# Altium PCB relay_matrix.PcbDoc (part 1 of 5)
Units mm, origin at the board's own origin, x right, y up, seen from the top; angles counter-clockwise.
Board outline 330 x 220 mm, 2 copper layers (Top Layer, Bottom Layer); 560 components, 391 nets, 2127 pads, 727 vias.
Unrouted connection lines stored in the file: 345.
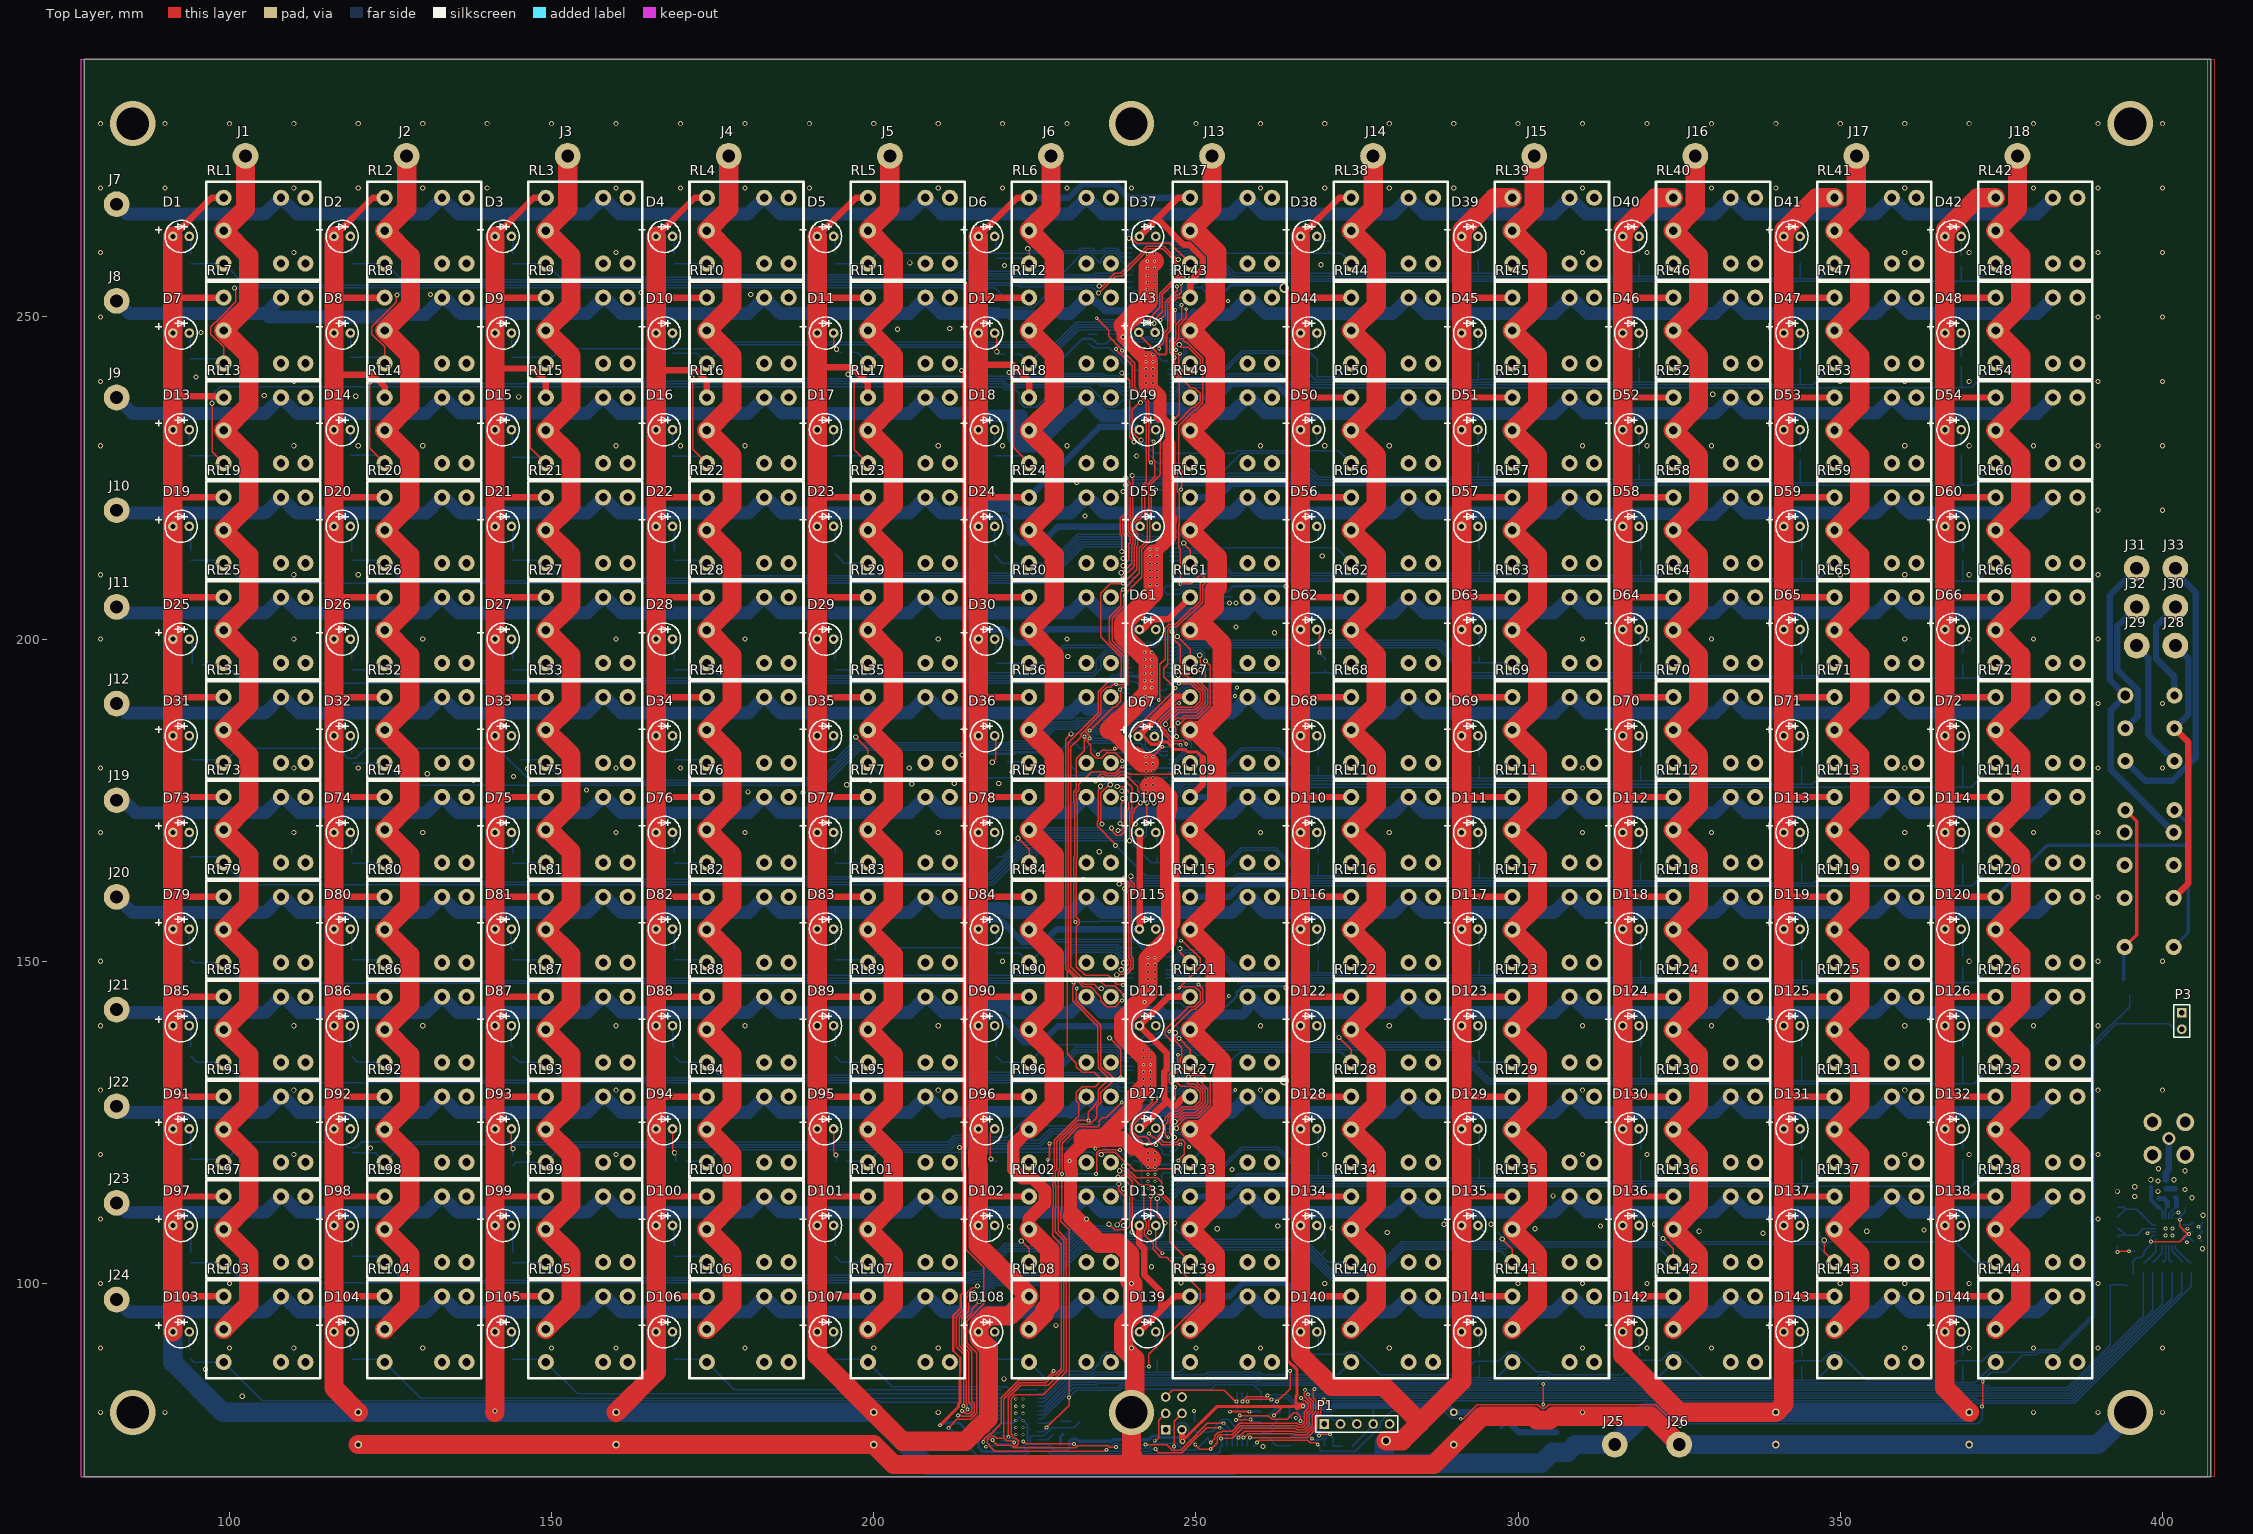
[diagram p0: Top Layer view]
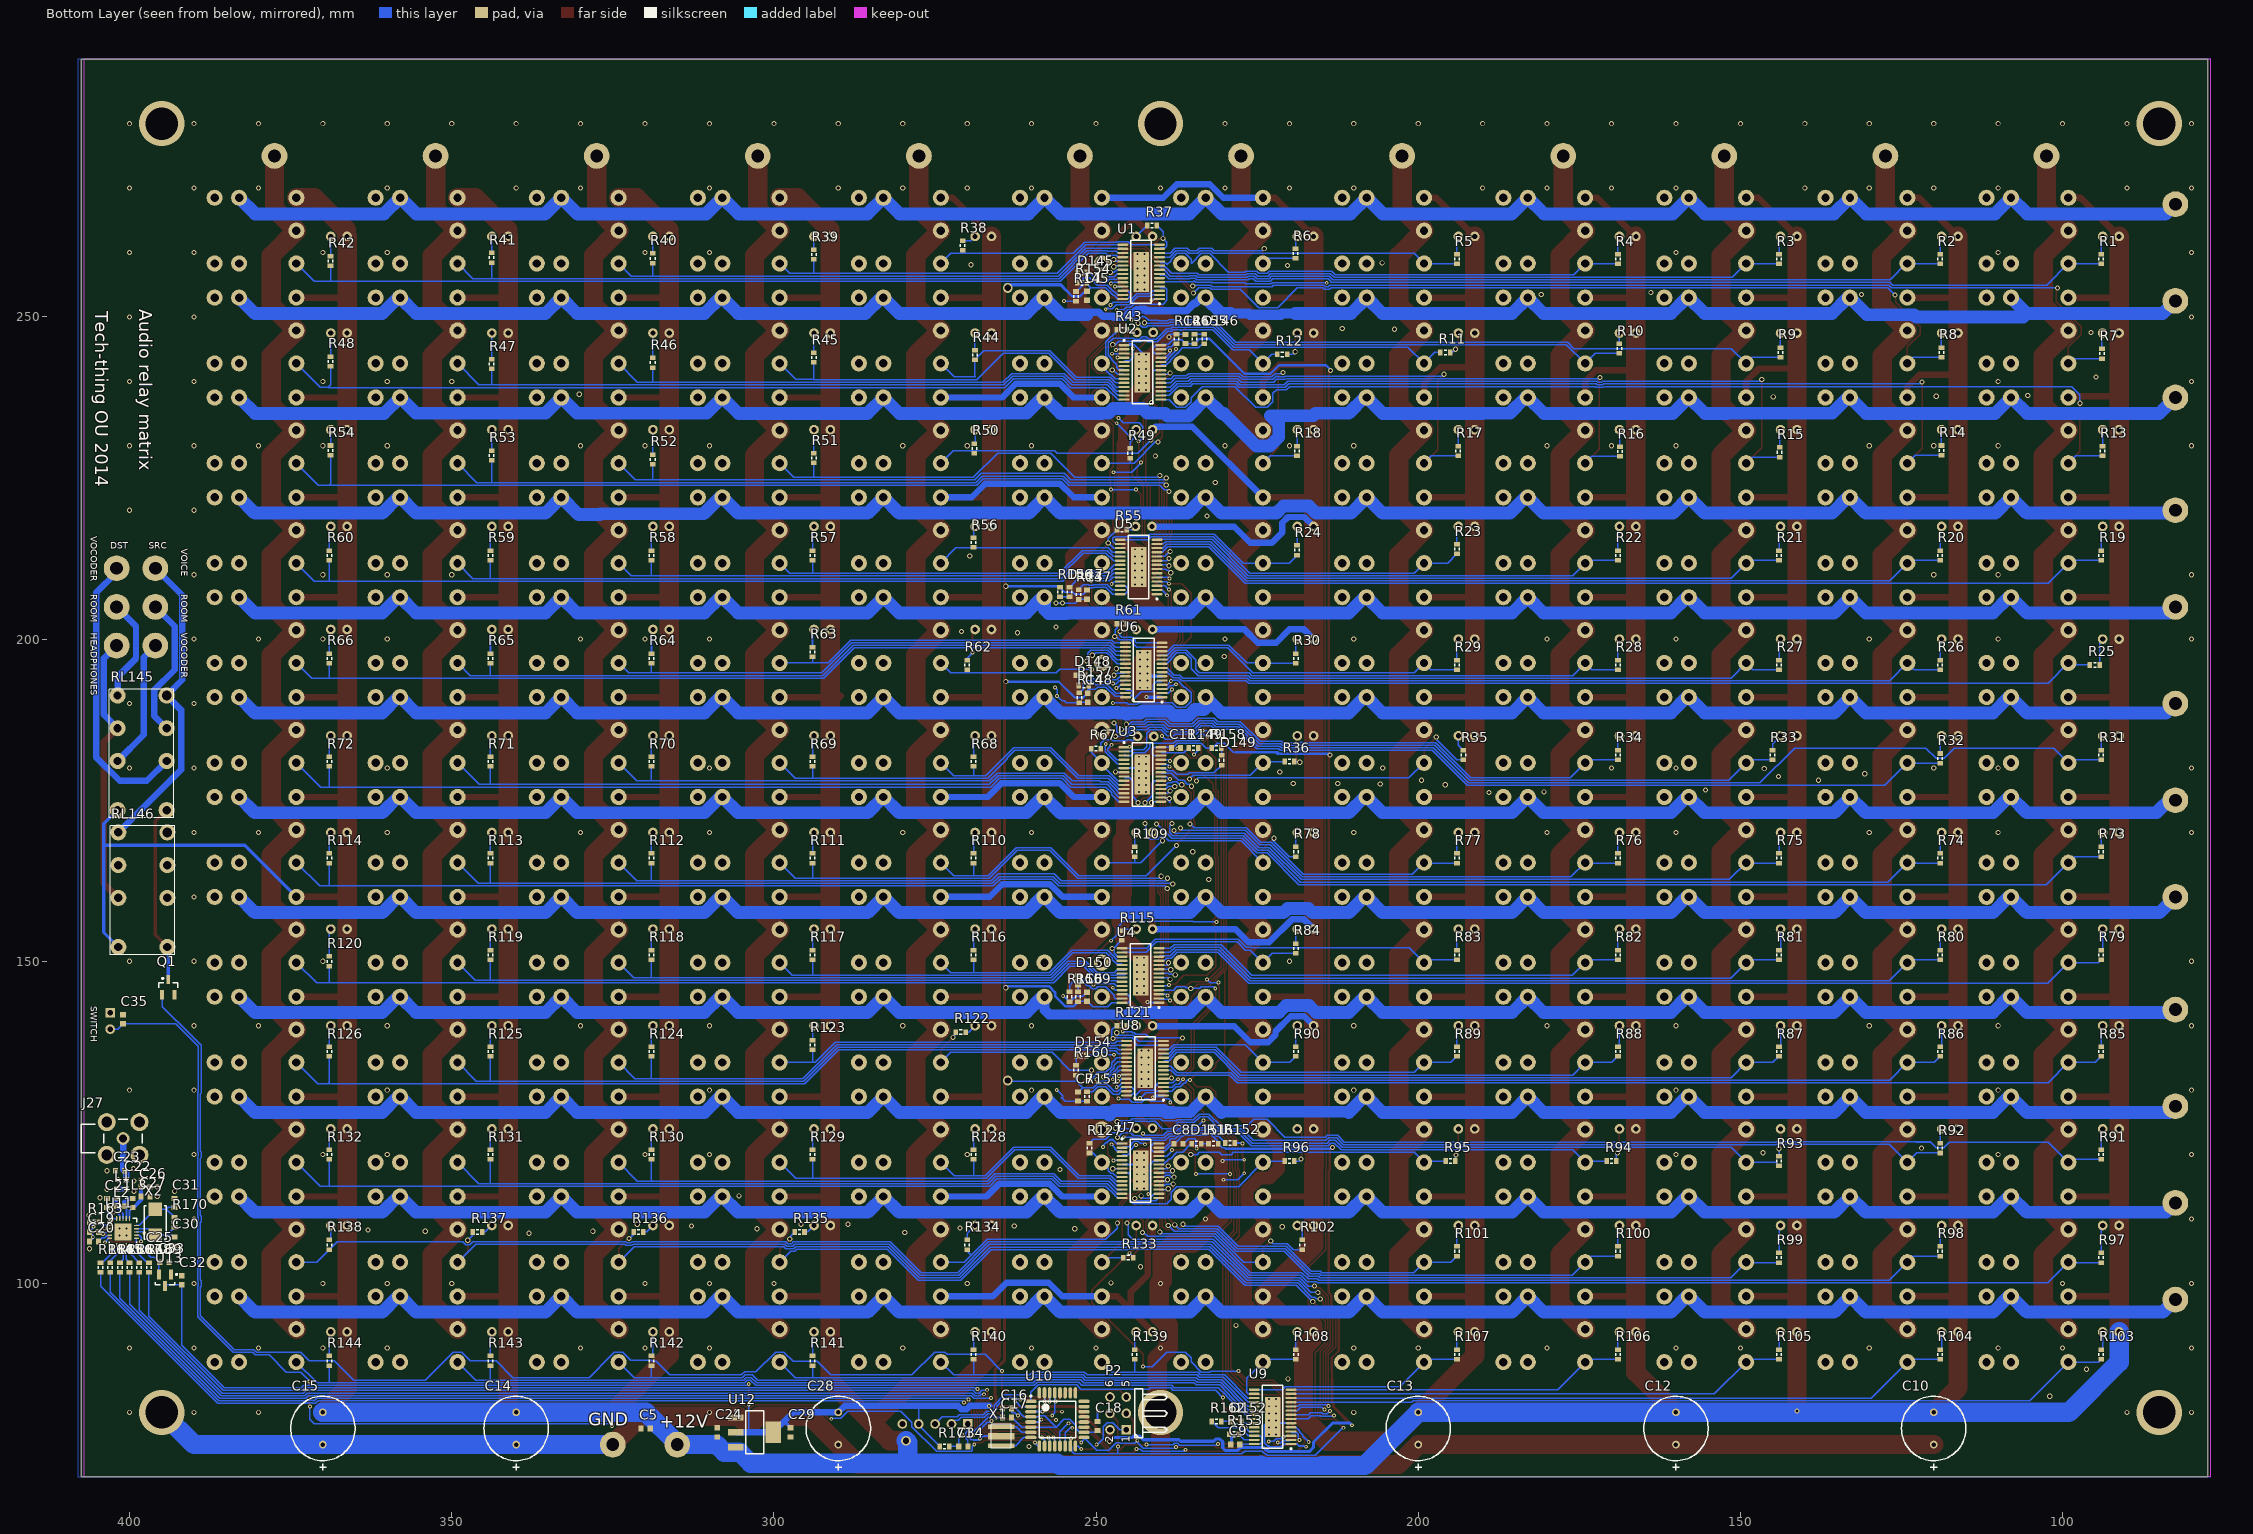
[diagram p1: Bottom Layer view, seen from below]

## Layer stack, top to bottom
Top Layer: signal copper 0.0356
Dielectric: dielectric 0.32, FR-4, Dk 4.8
Bottom Layer: signal copper 0.0356

## Board outline
387.5,70 407.5,70 407.5,290 77.5,290 77.5,70

## Design rules (kind name [scope] priority, off if disabled: settings)
Clearance [All] p1: gap=0.2
HoleSize [All] p1: absolutevalues=TRUE maxlimit=10 minlimit=0.025 maxpercent=80.000 minpercent=20.000
MinimumSolderMaskSliver [All] p1 off: minsoldermaskwidth=0.254
PolygonConnect [IsVia] p1: connectstyle=Direct reliefconductorwidth=0.254 reliefentries=4 polygonreliefangle="90 Angle" airgapwidth=0.254
PolygonConnect PolygonConnect_1 [All] p2: connectstyle=Relief reliefconductorwidth=0.254 reliefentries=4 polygonreliefangle="90 Angle" airgapwidth=0.254
RoutingVias [All] p1: holewidth=0.5 width=0.8 viastyle="Through Hole" minholewidth=0.3 minwidth=0.6 maxholewidth=4 maxwidth=5
SilkToSilkClearance [All] p1 off: silktosilkclearance=0.254
SilkToSolderMaskClearance [IsPad] p1 off: minsilkscreentomaskgap=0.254 clearancetoexposedcopper=TRUE
SolderMaskExpansion [All] p1: expansion=0.102
Width [All] p1: maxlimit=5 minlimit=0.2 preferedwidth=3 bottomlayer_prefwidth=0.3 minimp=50.000000 maximp=50.000000 favimp=50.000000
24 further rules are at their usual default settings.

## Classes and differential pairs
component class relay_matrix: C5 C10 C12 C13 C14 C15 C16 C17 C18 C19 C20 C21 C22 C23 C24 C25 C26 C27 C28 C29 C30 C31 C32 C33 C34 C35 J25 J26 J27 J28 J29 J30 J31 J32 J33 L1 L2 L3 P1 P2 P3 Q1 R163 R164 R165 R166 R167 R168 R169 R170 R171 RL145 RL146 U10 U11 U12 U13 X1 X2
net class AUDIO_[0..11]: AUDIO_0 AUDIO_1 AUDIO_2 AUDIO_3 AUDIO_4 AUDIO_5 AUDIO_6 AUDIO_7 AUDIO_8 AUDIO_9 AUDIO_10 AUDIO_11
component class Drivers: C1 C2 C3 C4 C6 C7 C8 C9 C11 D145 D146 D147 D148 D149 D150 D151 D152 D154 R145 R146 R147 R148 R149 R150 R151 R152 R153 R154 R155 R156 R157 R158 R159 R160 R161 R162 U1 U2 U3 U4 U5 U6 U7 U8 U9
component class Relays0: D1 D2 D3 D4 D5 D6 D7 D8 D9 D10 D11 D12 D13 D14 D15 D16 D17 D18 D19 D20 D21 D22 D23 D24 D25 D26 D27 D28 D29 D30 D31 D32 D33 D34 D35 D36 J1 J2 J3 J4 J5 J6 J7 J8 J9 J10 J11 J12 R1 R2 R3 R4 R5 R6 R7 R8 R9 R10 R11 R12 R13 R14 R15 R16 R17 R18 R19 R20 R21 R22 R23 R24 R25 R26 R27 R28 R29 R30 R31 R32 R33 R34 R35 R36 RL1 RL2 RL3 RL4 RL5 RL6 RL7 RL8 RL9 RL10 RL11 RL12 RL13 RL14 RL15 RL16 RL17 RL18 RL19 RL20 RL21 RL22 RL23 RL24 RL25 RL26 RL27 RL28 RL29 RL30 RL31 RL32 RL33 RL34 RL35 RL36
component class Relays2: D73 D74 D75 D76 D77 D78 D79 D80 D81 D82 D83 D84 D85 D86 D87 D88 D89 D90 D91 D92 D93 D94 D95 D96 D97 D98 D99 D100 D101 D102 D103 D104 D105 D106 D107 D108 J19 J20 J21 J22 J23 J24 R73 R74 R75 R76 R77 R78 R79 R80 R81 R82 R83 R84 R85 R86 R87 R88 R89 R90 R91 R92 R93 R94 R95 R96 R97 R98 R99 R100 R101 R102 R103 R104 R105 R106 R107 R108 RL73 RL74 RL75 RL76 RL77 RL78 RL79 RL80 RL81 RL82 RL83 RL84 RL85 RL86 RL87 RL88 RL89 RL90 RL91 RL92 RL93 RL94 RL95 RL96 RL97 RL98 RL99 RL100 RL101 RL102 RL103 RL104 RL105 RL106 RL107 RL108
component class Relays3: D109 D110 D111 D112 D113 D114 D115 D116 D117 D118 D119 D120 D121 D122 D123 D124 D125 D126 D127 D128 D129 D130 D131 D132 D133 D134 D135 D136 D137 D138 D139 D140 D141 D142 D143 D144 R109 R110 R111 R112 R113 R114 R115 R116 R117 R118 R119 R120 R121 R122 R123 R124 R125 R126 R127 R128 R129 R130 R131 R132 R133 R134 R135 R136 R137 R138 R139 R140 R141 R142 R143 R144 RL109 RL110 RL111 RL112 RL113 RL114 RL115 RL116 RL117 RL118 RL119 RL120 RL121 RL122 RL123 RL124 RL125 RL126 RL127 RL128 RL129 RL130 RL131 RL132 RL133 RL134 RL135 RL136 RL137 RL138 RL139 RL140 RL141 RL142 RL143 RL144
component class Relys1: D37 D38 D39 D40 D41 D42 D43 D44 D45 D46 D47 D48 D49 D50 D51 D52 D53 D54 D55 D56 D57 D58 D59 D60 D61 D62 D63 D64 D65 D66 D67 D68 D69 D70 D71 D72 J13 J14 J15 J16 J17 J18 R37 R38 R39 R40 R41 R42 R43 R44 R45 R46 R47 R48 R49 R50 R51 R52 R53 R54 R55 R56 R57 R58 R59 R60 R61 R62 R63 R64 R65 R66 R67 R68 R69 R70 R71 R72 RL37 RL38 RL39 RL40 RL41 RL42 RL43 RL44 RL45 RL46 RL47 RL48 RL49 RL50 RL51 RL52 RL53 RL54 RL55 RL56 RL57 RL58 RL59 RL60 RL61 RL62 RL63 RL64 RL65 RL66 RL67 RL68 RL69 RL70 RL71 RL72
net class CONTROL_[0..143]: CONTROL_0 CONTROL_1 CONTROL_2 CONTROL_3 CONTROL_4 CONTROL_5 CONTROL_6 CONTROL_7 CONTROL_8 CONTROL_9 CONTROL_10 CONTROL_11 CONTROL_12 CONTROL_13 CONTROL_14 CONTROL_15 CONTROL_16 CONTROL_17 CONTROL_18 CONTROL_19 CONTROL_20 CONTROL_21 CONTROL_22 CONTROL_23 CONTROL_24 CONTROL_25 CONTROL_26 CONTROL_27 CONTROL_28 CONTROL_29 CONTROL_30 CONTROL_31 CONTROL_32 CONTROL_33 CONTROL_34 CONTROL_35 CONTROL_36 CONTROL_37 CONTROL_38 CONTROL_39 CONTROL_40 CONTROL_41 CONTROL_42 CONTROL_43 CONTROL_44 CONTROL_45 CONTROL_46 CONTROL_47 CONTROL_48 CONTROL_49 CONTROL_50 CONTROL_51 CONTROL_52 CONTROL_53 CONTROL_54 CONTROL_55 CONTROL_56 CONTROL_57 CONTROL_58 CONTROL_59 CONTROL_60 CONTROL_61 CONTROL_62 CONTROL_63 CONTROL_64 CONTROL_65 CONTROL_66 CONTROL_67 CONTROL_68 CONTROL_69 CONTROL_70 CONTROL_71 CONTROL_72 CONTROL_73 CONTROL_74 CONTROL_75 CONTROL_76 CONTROL_77 CONTROL_78 CONTROL_79 CONTROL_80 CONTROL_81 CONTROL_82 CONTROL_83 CONTROL_84 CONTROL_85 CONTROL_86 CONTROL_87 CONTROL_88 CONTROL_89 CONTROL_90 CONTROL_91 CONTROL_92 CONTROL_93 CONTROL_94 CONTROL_95 CONTROL_96 CONTROL_97 CONTROL_98 CONTROL_99 CONTROL_100 CONTROL_101 CONTROL_102 CONTROL_103 CONTROL_104 CONTROL_105 CONTROL_106 CONTROL_107 CONTROL_108 CONTROL_109 CONTROL_110 CONTROL_111 CONTROL_112 CONTROL_113 CONTROL_114 CONTROL_115 CONTROL_116 CONTROL_117 CONTROL_118 CONTROL_119 CONTROL_120 CONTROL_121 CONTROL_122 CONTROL_123 CONTROL_124 CONTROL_125 CONTROL_126 CONTROL_127 CONTROL_128 CONTROL_129 CONTROL_130 CONTROL_131 CONTROL_132 CONTROL_133 CONTROL_134 CONTROL_135 CONTROL_136 CONTROL_137 CONTROL_138 CONTROL_139 CONTROL_140 CONTROL_141 CONTROL_142 CONTROL_143

## Components (designator, comment, footprint, x,y, rotation, side; value= is the part's Value field where it differs from the comment)
C1 "Cap Semi" 1608[0603] 251.4,253.3 r90 bottom
C2 "Cap Semi" 1608[0603] 236.1,246.6 r270 bottom
C3 "Cap Semi" 1608[0603] 251.4,206.9 r90 bottom
C4 "Cap Semi" 1608[0603] 251.3,190.9 r90 bottom
C5 "Cap Semi" 1608[0603] 319.9,77.5 r0 bottom
C6 "Cap Semi" 1608[0603] 251.4,144.5 r270 bottom
C7 "Cap Semi" 1608[0603] 252.8,129 r90 bottom
C8 "Cap Semi" 1608[0603] 237.2,121.7 r0 bottom
C9 "Cap Semi" 1608[0603] 228.4,75 r180 bottom
C10 "Cap2" Cap_10x16mm 120,80 r270 bottom
C11 "Cap Semi" 1608[0603] 237.6,183.1 r0 bottom
C12 "Cap2" Cap_10x16mm 160,80 r270 bottom
C13 "Cap2" Cap_10x16mm 200,80 r270 bottom
C14 "Cap2" Cap_10x16mm 340,80 r270 bottom
C15 "Cap2" Cap_10x16mm 370,80 r270 bottom
C16 "Cap Semi" 1608[0603] 263.8,80.6 r0 bottom
C17 "Cap Semi" 1608[0603] 263.8,79.2 r0 bottom
C18 "Cap Semi" 1608[0603] 249.8,77.9 r90 bottom
C19 "Cap Semi" 1608[0603] 405.5,108 r180 bottom
C20 "Cap Semi" 1608[0603] 405.5,106.5 r180 bottom
C21 "Cap Semi" 1608[0603] 403.5,112.5 r90 bottom
C22 "Cap Semi" 1608[0603] 400.5,115.4 r90 bottom
C23 "Cap Semi" 1608[0603] 401.5,117.5 r0 bottom
C24 "Cap Semi" 1608[0603] 308.8,76.9 r90 bottom
C25 "Cap Semi" 1608[0603] 396.5,105 r180 bottom
C26 "Cap Semi" 1608[0603] 397.5,115 r180 bottom
C27 "Cap Semi" 1608[0603] 397.5,113.5 r180 bottom
C28 "Cap2" Cap_10x16mm 290,80 r270 bottom
C29 "Cap Semi" 1608[0603] 297.4,76.9 r270 bottom
C30 "Cap Semi" 1608[0603] 393,106.5 r270 bottom
C31 "Cap Semi" 1608[0603] 393,112.5 r90 bottom
C32 "Cap Semi" 1608[0603] 391.9,100.5 r90 bottom
C33 "Cap Semi" 1608[0603] 394.6,103.3 r180 bottom
C34 "Cap Semi" 1608[0603] 270.6,74.7 r180 bottom
C35 "Cap Semi" 1608[0603] 401,141 r90 bottom
D1 "LED0" LED_round_5mm 92.5,262.5 r0 top
D2 "LED0" LED_round_5mm 117.5,262.5 r0 top
D3 "LED0" LED_round_5mm 142.5,262.5 r0 top
D4 "LED0" LED_round_5mm 167.5,262.5 r0 top
D5 "LED0" LED_round_5mm 192.5,262.5 r0 top
D6 "LED0" LED_round_5mm 217.5,262.5 r0 top
D7 "LED0" LED_round_5mm 92.5,247.5 r0 top
D8 "LED0" LED_round_5mm 117.5,247.5 r0 top
D9 "LED0" LED_round_5mm 142.5,247.5 r0 top
D10 "LED0" LED_round_5mm 167.5,247.5 r0 top
D11 "LED0" LED_round_5mm 192.5,247.5 r0 top
D12 "LED0" LED_round_5mm 217.5,247.5 r0 top
D13 "LED0" LED_round_5mm 92.5,232.5 r0 top
D14 "LED0" LED_round_5mm 117.5,232.5 r0 top
D15 "LED0" LED_round_5mm 142.5,232.5 r0 top
D16 "LED0" LED_round_5mm 167.5,232.5 r0 top
D17 "LED0" LED_round_5mm 192.5,232.5 r0 top
D18 "LED0" LED_round_5mm 217.5,232.5 r0 top
D19 "LED0" LED_round_5mm 92.5,217.5 r0 top
D20 "LED0" LED_round_5mm 117.5,217.5 r0 top
D21 "LED0" LED_round_5mm 142.5,217.5 r0 top
D22 "LED0" LED_round_5mm 167.5,217.5 r0 top
D23 "LED0" LED_round_5mm 192.5,217.5 r0 top
D24 "LED0" LED_round_5mm 217.5,217.5 r0 top
D25 "LED0" LED_round_5mm 92.5,200 r0 top
D26 "LED0" LED_round_5mm 117.5,200 r0 top
D27 "LED0" LED_round_5mm 142.5,200 r0 top
D28 "LED0" LED_round_5mm 167.5,200 r0 top
D29 "LED0" LED_round_5mm 192.5,200 r0 top
D30 "LED0" LED_round_5mm 217.5,200 r0 top
D31 "LED0" LED_round_5mm 92.5,185 r0 top
D32 "LED0" LED_round_5mm 117.5,185 r0 top
D33 "LED0" LED_round_5mm 142.5,185 r0 top
D34 "LED0" LED_round_5mm 167.5,185 r0 top
D35 "LED0" LED_round_5mm 192.5,185 r0 top
D36 "LED0" LED_round_5mm 217.5,185 r0 top
D37 "LED0" LED_round_5mm 242.5,262.5 r0 top
D38 "LED0" LED_round_5mm 267.5,262.5 r0 top
D39 "LED0" LED_round_5mm 292.5,262.5 r0 top
D40 "LED0" LED_round_5mm 317.5,262.5 r0 top
D41 "LED0" LED_round_5mm 342.5,262.5 r0 top
D42 "LED0" LED_round_5mm 367.5,262.5 r0 top
D43 "LED0" LED_round_5mm 242.4,247.6 r0 top
D44 "LED0" LED_round_5mm 267.5,247.5 r0 top
D45 "LED0" LED_round_5mm 292.5,247.5 r0 top
D46 "LED0" LED_round_5mm 317.5,247.5 r0 top
D47 "LED0" LED_round_5mm 342.5,247.5 r0 top
D48 "LED0" LED_round_5mm 367.5,247.5 r0 top
D49 "LED0" LED_round_5mm 242.5,232.5 r0 top
D50 "LED0" LED_round_5mm 267.5,232.5 r0 top
D51 "LED0" LED_round_5mm 292.5,232.5 r0 top
D52 "LED0" LED_round_5mm 317.5,232.5 r0 top
D53 "LED0" LED_round_5mm 342.5,232.5 r0 top
D54 "LED0" LED_round_5mm 367.5,232.5 r0 top
D55 "LED0" LED_round_5mm 242.6,217.5 r0 top
D56 "LED0" LED_round_5mm 267.5,217.5 r0 top
D57 "LED0" LED_round_5mm 292.5,217.5 r0 top
D58 "LED0" LED_round_5mm 317.5,217.5 r0 top
D59 "LED0" LED_round_5mm 342.5,217.5 r0 top
D60 "LED0" LED_round_5mm 367.5,217.5 r0 top
D61 "LED0" LED_round_5mm 242.5,201.5 r0 top
D62 "LED0" LED_round_5mm 267.5,201.5 r0 top
D63 "LED0" LED_round_5mm 292.5,201.5 r0 top
D64 "LED0" LED_round_5mm 317.5,201.5 r0 top
D65 "LED0" LED_round_5mm 342.5,201.5 r0 top
D66 "LED0" LED_round_5mm 367.5,201.5 r0 top
D67 "LED0" LED_round_5mm 242.3,184.9 r0 top
D68 "LED0" LED_round_5mm 267.5,185 r0 top
D69 "LED0" LED_round_5mm 292.5,185 r0 top
D70 "LED0" LED_round_5mm 317.5,185 r0 top
D71 "LED0" LED_round_5mm 342.5,185 r0 top
D72 "LED0" LED_round_5mm 367.5,185 r0 top
D73 "LED0" LED_round_5mm 92.5,170 r0 top
D74 "LED0" LED_round_5mm 117.5,170 r0 top
D75 "LED0" LED_round_5mm 142.5,170 r0 top
D76 "LED0" LED_round_5mm 167.5,170 r0 top
D77 "LED0" LED_round_5mm 192.5,170 r0 top
D78 "LED0" LED_round_5mm 217.5,170 r0 top
D79 "LED0" LED_round_5mm 92.5,155 r0 top
D80 "LED0" LED_round_5mm 117.5,155 r0 top
D81 "LED0" LED_round_5mm 142.5,155 r0 top
D82 "LED0" LED_round_5mm 167.5,155 r0 top
D83 "LED0" LED_round_5mm 192.5,155 r0 top
D84 "LED0" LED_round_5mm 217.5,155 r0 top
D85 "LED0" LED_round_5mm 92.5,140 r0 top
D86 "LED0" LED_round_5mm 117.5,140 r0 top
D87 "LED0" LED_round_5mm 142.5,140 r0 top
D88 "LED0" LED_round_5mm 167.5,140 r0 top
D89 "LED0" LED_round_5mm 192.5,140 r0 top
D90 "LED0" LED_round_5mm 217.5,140 r0 top
D91 "LED0" LED_round_5mm 92.5,124 r0 top
D92 "LED0" LED_round_5mm 117.5,124 r0 top
D93 "LED0" LED_round_5mm 142.5,124 r0 top
D94 "LED0" LED_round_5mm 167.5,124 r0 top
D95 "LED0" LED_round_5mm 192.5,124 r0 top
D96 "LED0" LED_round_5mm 217.5,124 r0 top
D97 "LED0" LED_round_5mm 92.5,109 r0 top
D98 "LED0" LED_round_5mm 117.5,109 r0 top
D99 "LED0" LED_round_5mm 142.5,109 r0 top
D100 "LED0" LED_round_5mm 167.5,109 r0 top
D101 "LED0" LED_round_5mm 192.5,109 r0 top
D102 "LED0" LED_round_5mm 217.5,109 r0 top
D103 "LED0" LED_round_5mm 92.5,92.5 r0 top
D104 "LED0" LED_round_5mm 117.5,92.5 r0 top
D105 "LED0" LED_round_5mm 142.5,92.5 r0 top
D106 "LED0" LED_round_5mm 167.5,92.5 r0 top
D107 "LED0" LED_round_5mm 192.5,92.5 r0 top
D108 "LED0" LED_round_5mm 217.5,92.5 r0 top
D109 "LED0" LED_round_5mm 242.5,170 r0 top
D110 "LED0" LED_round_5mm 267.5,170 r0 top
D111 "LED0" LED_round_5mm 292.5,170 r0 top
D112 "LED0" LED_round_5mm 317.5,170 r0 top
D113 "LED0" LED_round_5mm 342.5,170 r0 top
D114 "LED0" LED_round_5mm 367.5,170 r0 top
D115 "LED0" LED_round_5mm 242.5,155 r0 top
D116 "LED0" LED_round_5mm 267.5,155 r0 top
D117 "LED0" LED_round_5mm 292.5,155 r0 top
D118 "LED0" LED_round_5mm 317.5,155 r0 top
D119 "LED0" LED_round_5mm 342.5,155 r0 top
D120 "LED0" LED_round_5mm 367.5,155 r0 top
D121 "LED0" LED_round_5mm 242.5,140 r0 top
D122 "LED0" LED_round_5mm 267.5,140 r0 top
D123 "LED0" LED_round_5mm 292.5,140 r0 top
D124 "LED0" LED_round_5mm 317.5,140 r0 top
D125 "LED0" LED_round_5mm 342.5,140 r0 top
D126 "LED0" LED_round_5mm 367.5,140 r0 top
D127 "LED0" LED_round_5mm 242.5,124.1 r0 top
D128 "LED0" LED_round_5mm 267.5,124 r0 top